# KiCad board pcb.kicad_pcb (continued)
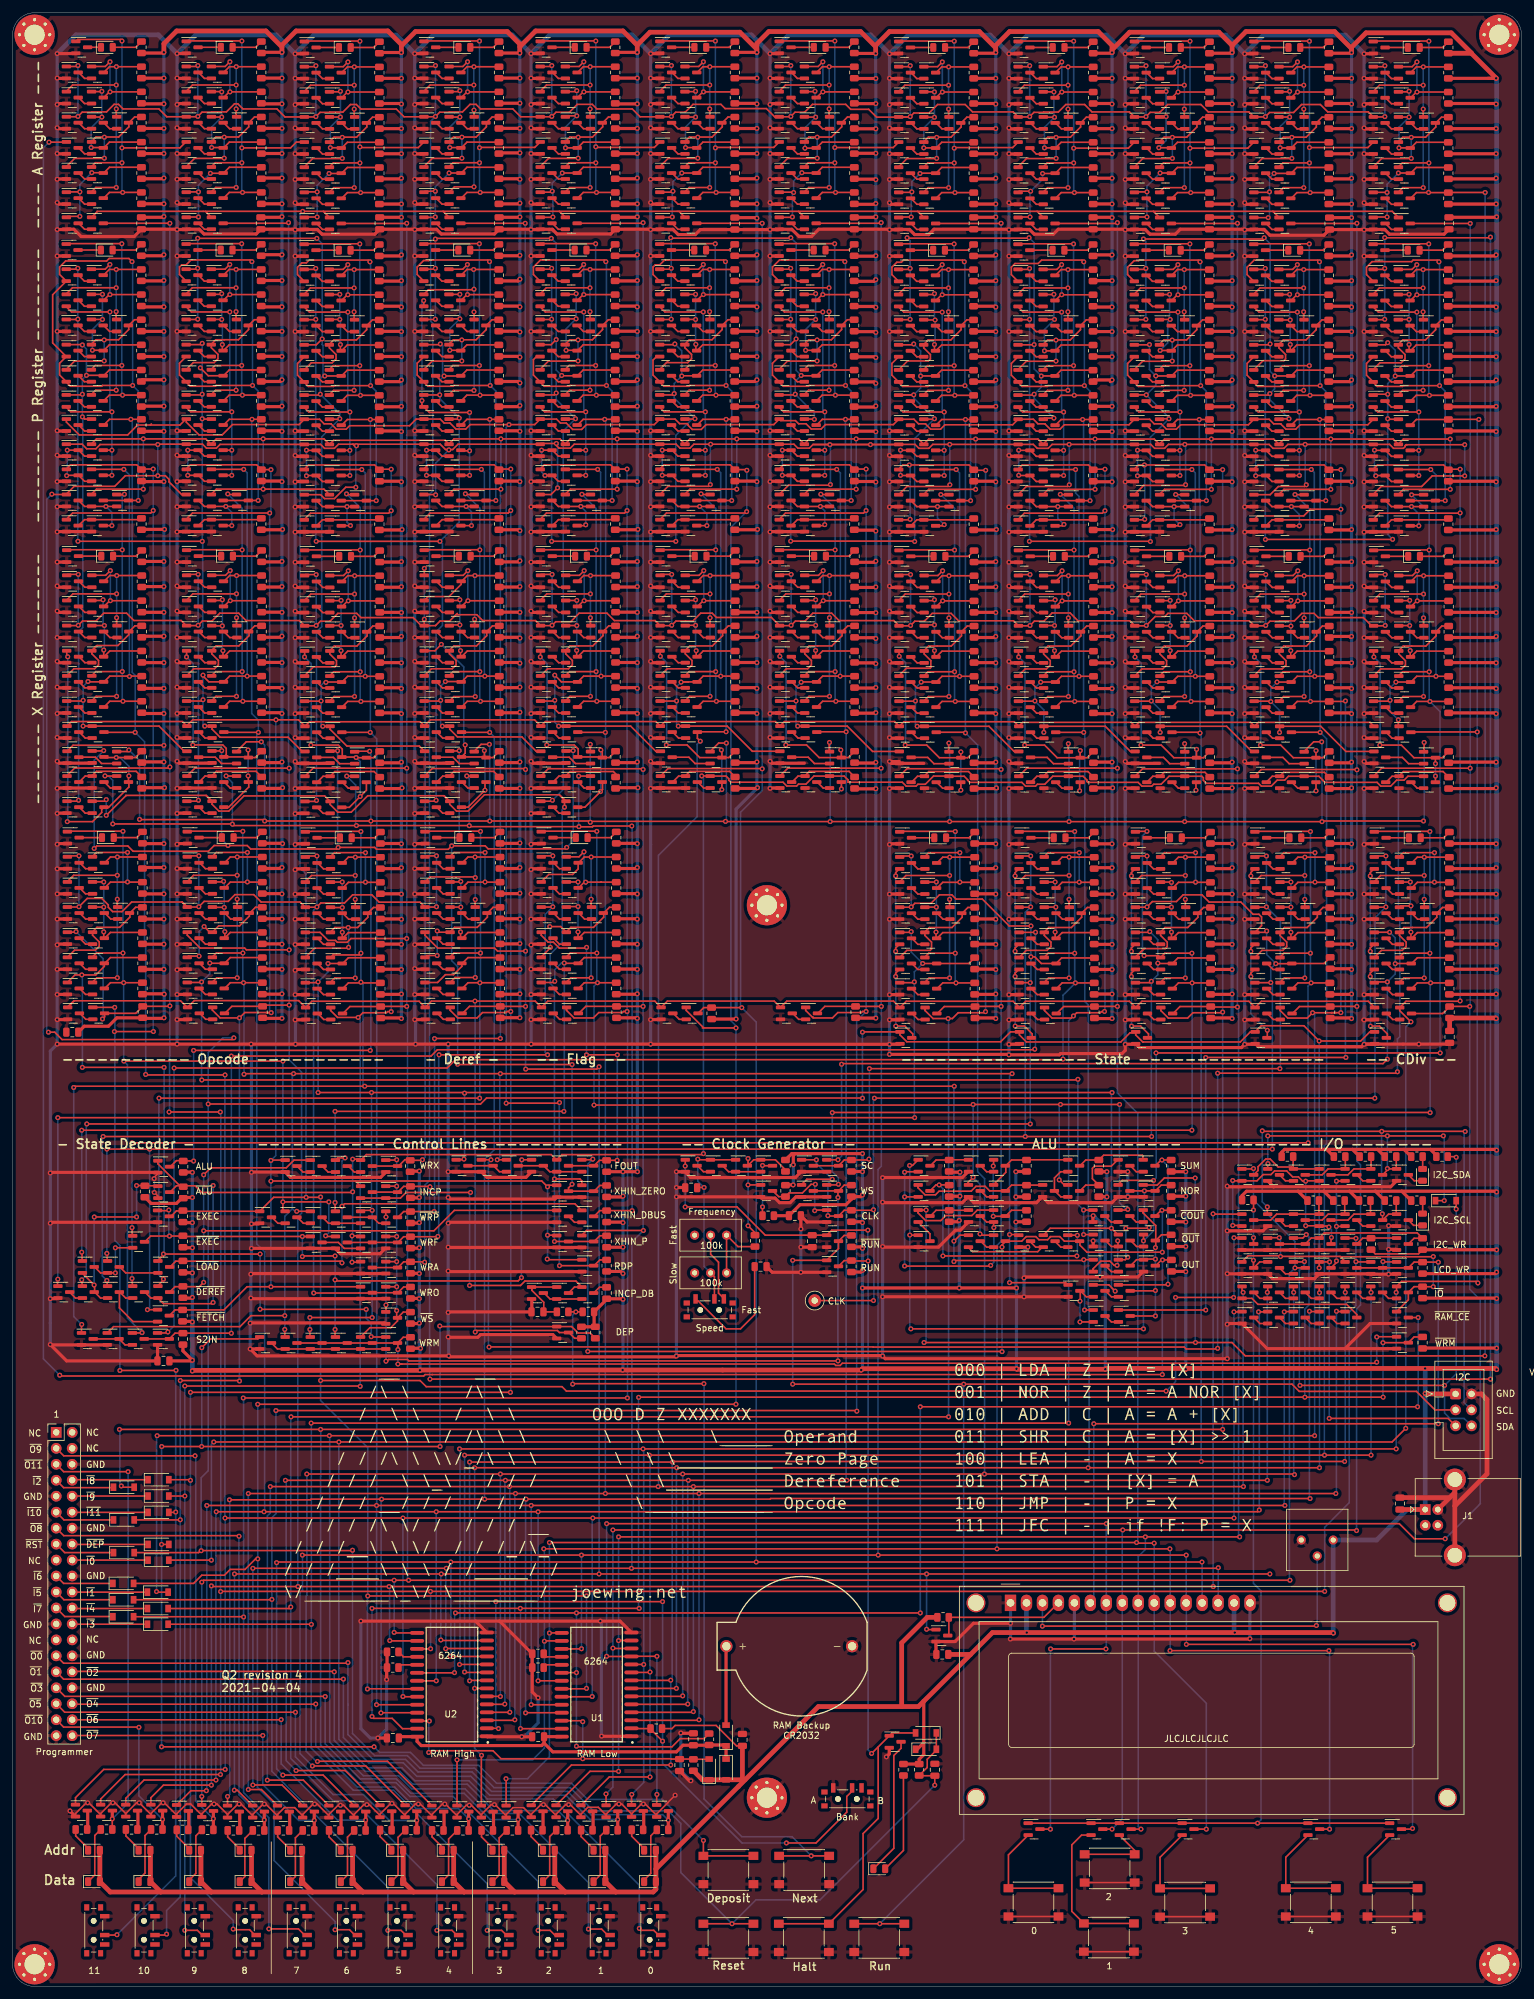
[diagram p0: board, top side]
## Placement (name value [footprint] x y rotation side) (continued)
Q994  2N7002K  [SOT-23]  103.95 227.56 0 top
Q995  2N7002  [SOT-23]  107.95 207.56 0 top
Q996  2N7002  [SOT-23]  107.95 223.56 0 top
Q997  2N7002  [SOT-23]  103.95 207.56 0 top
Q998  2N7002  [SOT-23]  103.95 223.56 0 top
Q999  2N7002  [SOT-23]  111.95 215.56 0 top
Q1000  2N7002  [SOT-23]  107.95 215.56 0 top
Q1001  2N7002  [SOT-23]  103.95 215.56 0 top
Q1002  2N7002  [SOT-23]  107.95 211.56 0 top
Q1003  2N7002  [SOT-23]  103.95 211.56 0 top
Q1004  2N7002  [SOT-23]  107.9 280.52 0 top
Q1005  2N7002  [SOT-23]  103.9 280.52 0 top
Q1006  2N7002  [SOT-23]  107.9 248.42 0 top
Q1007  2N7002  [SOT-23]  103.9 248.42 0 top
Q1008  2N7002  [SOT-23]  107.9 244.42 0 top
Q1009  2N7002  [SOT-23]  107.9 240.42 0 top
Q1010  2N7002  [SOT-23]  107.9 236.42 0 top
Q1011  2N7002  [SOT-23]  111.9 236.42 0 top
Q1012  2N7002K  [SOT-23]  103.9 244.42 0 top
Q1013  2N7002K  [SOT-23]  103.9 240.42 0 top
Q1014  2N7002K  [SOT-23]  103.9 236.42 0 top
Q1015  2N7002  [SOT-23]  107.9 232.42 0 top
Q1016  2N7002K  [SOT-23]  103.9 232.42 0 top
Q1017  2N7002  [SOT-23]  126.88 252.27 0 top
Q1018  2N7002  [SOT-23]  126.88 268.27 0 top
Q1019  2N7002  [SOT-23]  122.88 252.27 0 top
Q1020  2N7002  [SOT-23]  122.88 268.27 0 top
Q1021  2N7002K  [SOT-23]  122.88 276.27 0 top
Q1022  2N7002  [SOT-23]  126.88 256.27 0 top
Q1023  2N7002  [SOT-23]  126.88 272.27 0 top
Q1024  2N7002  [SOT-23]  122.88 256.27 0 top
Q1025  2N7002  [SOT-23]  122.88 272.27 0 top
Q1026  2N7002  [SOT-23]  130.88 264.27 0 top
Q1027  2N7002  [SOT-23]  126.88 264.27 0 top
Q1028  2N7002  [SOT-23]  122.88 264.27 0 top
Q1029  2N7002  [SOT-23]  126.88 260.27 0 top
Q1030  2N7002  [SOT-23]  122.88 260.27 0 top
Q1031  2N7002  [SOT-23]  126.9 280.52 0 top
Q1032  2N7002  [SOT-23]  122.9 280.52 0 top
Q1033  2N7002  [SOT-23]  126.9 284.52 0 top
Q1034  2N7002  [SOT-23]  126.9 300.52 0 top
Q1035  2N7002  [SOT-23]  122.9 284.52 0 top
Q1036  2N7002  [SOT-23]  122.9 300.52 0 top
Q1037  2N7002K  [SOT-23]  122.9 308.52 0 top
Q1038  2N7002  [SOT-23]  126.9 288.52 0 top
Q1039  2N7002  [SOT-23]  126.9 304.52 0 top
Q1040  2N7002  [SOT-23]  122.9 288.52 0 top
Q1041  2N7002  [SOT-23]  122.9 304.52 0 top
Q1042  2N7002  [SOT-23]  130.9 296.52 0 top
Q1043  2N7002  [SOT-23]  126.9 296.52 0 top
Q1044  2N7002  [SOT-23]  122.9 296.52 0 top
Q1045  2N7002  [SOT-23]  126.9 292.52 0 top
Q1046  2N7002  [SOT-23]  122.9 292.52 0 top
Q1047  2N7002  [SOT-23]  130.9 191.62 0 top
Q1048  2N7002  [SOT-23]  127 199.57 0 top
Q1049  2N7002  [SOT-23]  130.9 195.52 0 top
Q1050  2N7002  [SOT-23]  123 191.62 0 top
Q1051  2N7002  [SOT-23]  127 191.62 0 top
Q1052  2N7002  [SOT-23]  123 199.57 0 top
Q1053  2N7002  [SOT-23]  123 195.57 0 top
Q1054  2N7002  [SOT-23]  126.95 203.56 0 top
Q1055  2N7002  [SOT-23]  126.95 219.56 0 top
Q1056  2N7002  [SOT-23]  122.95 203.56 0 top
Q1057  2N7002  [SOT-23]  122.95 219.56 0 top
Q1058  2N7002K  [SOT-23]  122.95 227.56 0 top
Q1059  2N7002  [SOT-23]  126.95 207.56 0 top
Q1060  2N7002  [SOT-23]  126.95 223.56 0 top
Q1061  2N7002  [SOT-23]  122.95 207.56 0 top
Q1062  2N7002  [SOT-23]  122.95 223.56 0 top
Q1063  2N7002  [SOT-23]  130.95 215.56 0 top
Q1064  2N7002  [SOT-23]  126.95 215.56 0 top
Q1065  2N7002  [SOT-23]  122.95 215.56 0 top
Q1066  2N7002  [SOT-23]  126.95 211.56 0 top
Q1067  2N7002  [SOT-23]  122.95 211.56 0 top
Q1068  2N7002  [SOT-23]  107.88 252.27 0 top
Q1069  2N7002  [SOT-23]  107.88 268.27 0 top
Q1070  2N7002  [SOT-23]  103.88 252.27 0 top
Q1071  2N7002  [SOT-23]  103.88 268.27 0 top
Q1072  2N7002K  [SOT-23]  103.88 276.27 0 top
Q1073  2N7002  [SOT-23]  107.88 256.27 0 top
Q1074  2N7002  [SOT-23]  107.88 272.27 0 top
Q1075  2N7002  [SOT-23]  103.88 256.27 0 top
Q1076  2N7002  [SOT-23]  103.88 272.27 0 top
Q1077  2N7002  [SOT-23]  111.88 264.27 0 top
Q1078  2N7002  [SOT-23]  107.88 264.27 0 top
Q1079  2N7002  [SOT-23]  103.88 264.27 0 top
Q1080  2N7002  [SOT-23]  107.88 260.27 0 top
Q1081  2N7002  [SOT-23]  103.88 260.27 0 top
Q1082  2N7002  [SOT-23]  126.9 248.42 0 top
Q1083  2N7002  [SOT-23]  122.9 248.42 0 top
Q1084  2N7002  [SOT-23]  126.9 244.42 0 top
Q1085  2N7002  [SOT-23]  126.9 240.42 0 top
Q1086  2N7002  [SOT-23]  126.9 236.42 0 top
Q1087  2N7002  [SOT-23]  130.9 236.42 0 top
Q1088  2N7002K  [SOT-23]  122.9 244.42 0 top
Q1089  2N7002K  [SOT-23]  122.9 240.42 0 top
Q1090  2N7002K  [SOT-23]  122.9 236.42 0 top
Q1091  2N7002  [SOT-23]  126.9 232.42 0 top
Q1092  2N7002K  [SOT-23]  122.9 232.42 0 top
Q1093  2N7002  [SOT-23]  87.5 122.53 0 top
Q1094  2N7002  [SOT-23]  48.3 130.53 0 top
Q1095  2N7002K  [SOT-23]  200.6 129.13 0 top
Q1096  2N7002K  [SOT-23]  221.1 129.13 0 top
Q1097  2N7002K  [SOT-23]  208.8 114.33 0 top
Q1098  2N7002K  [SOT-23]  208.8 129.13 0 top
Q1099  2N7002K  [SOT-23]  217 129.13 0 top
Q1100  2N7002K  [SOT-23]  204.7 114.33 0 top
Q1101  2N7002K  [SOT-23]  212.9 129.13 0 top
Q1102  2N7002K  [SOT-23]  200.6 114.33 0 top
Q1103  2N7002K  [SOT-23]  204.7 121.93 0 top
Q1104  2N7002K  [SOT-23]  196.5 121.93 0 top
Q1105  2N7002K  [SOT-23]  200.6 121.93 0 top
Q1106  2N7002K  [SOT-23]  208.8 121.93 0 top
Q1107  2N7002K  [SOT-23]  217 121.93 0 top
Q1108  2N7002K  [SOT-23]  208.8 118.13 0 top
Q1109  2N7002K  [SOT-23]  212.9 121.93 0 top
Q1110  2N7002K  [SOT-23]  221.1 121.93 0 top
Q1111  2N7002  [SOT-23]  212.9 114.33 0 top
R1  10k  [R_0805_2012Metric]  20.5 248.43 90 top
R2  10k  [R_0805_2012Metric]  20.7 155.03 90 top
R3  100k  [R_0805_2012Metric]  20.5 240.43 90 top
R4  10k  [R_0805_2012Metric]  20.5 232.68 90 top
R5  10k  [R_0805_2012Metric]  20.48 252.27 90 top
R6  10k  [R_0805_2012Metric]  20.48 268.27 90 top
R7  4.7k  [R_0805_2012Metric]  20.48 276.27 90 top
R8  10k  [R_0805_2012Metric]  20.48 256.27 90 top
R9  10k  [R_0805_2012Metric]  20.48 272.27 90 top
R10  10k  [R_0805_2012Metric]  20.48 264.27 90 top
R11  10k  [R_0805_2012Metric]  20.48 260.27 90 top
R12  10k  [R_0805_2012Metric]  20.5 284.53 90 top
R13  10k  [R_0805_2012Metric]  20.5 300.53 90 top
R14  4.7k  [R_0805_2012Metric]  20.5 308.53 90 top
R15  10k  [R_0805_2012Metric]  20.5 288.53 90 top
R16  10k  [R_0805_2012Metric]  20.5 304.53 90 top
R17  10k  [R_0805_2012Metric]  20.5 296.53 90 top
R18  10k  [R_0805_2012Metric]  20.5 292.53 90 top
R19  10k  [R_0805_2012Metric]  20.55 195.63 90 top
R20  10k  [R_0805_2012Metric]  20.55 191.53 90 top
R21  10k  [R_0805_2012Metric]  20.55 203.57 90 top
R22  10k  [R_0805_2012Metric]  20.55 219.57 90 top
R23  4.7k  [R_0805_2012Metric]  20.55 227.57 90 top
R24  10k  [R_0805_2012Metric]  20.55 207.57 90 top
R25  10k  [R_0805_2012Metric]  20.55 223.57 90 top
R26  10k  [R_0805_2012Metric]  20.55 215.57 90 top
R27  10k  [R_0805_2012Metric]  20.55 211.57 90 top
R28  10k  [R_0805_2012Metric]  20.66 158.79 90 top
R29  10k  [R_0805_2012Metric]  20.66 174.79 90 top
R30  4.7k  [R_0805_2012Metric]  20.66 182.79 90 top
R31  10k  [R_0805_2012Metric]  20.66 162.79 90 top
R32  10k  [R_0805_2012Metric]  20.66 178.79 90 top
R33  10k  [R_0805_2012Metric]  20.66 170.79 90 top
R34  10k  [R_0805_2012Metric]  20.66 166.79 90 top
R35  1k  [R_0805_2012Metric]  27.05 106.73 90 top
R36  10k  [R_0805_2012Metric]  27.1 110.48 90 top
R37  10k  [R_0805_2012Metric]  27.1 118.53 90 top
R38  1k  [R_0805_2012Metric]  27.15 126.33 90 top
R39  10k  [R_0805_2012Metric]  21.05 126.48 90 top
R40  10k  [R_0805_2012Metric]  27.1 103.03 90 top
R41  10k  [R_0805_2012Metric]  94.5 126.53 90 top
R42  1k  [R_0805_2012Metric]  94.5 118.53 90 top
R43  10k  [R_0805_2012Metric]  94.5 122.53 90 top
R44  1k  [R_0805_2012Metric]  94.5 114.68 90 top
R45  1k  [R_0805_2012Metric]  63.3 110.38 90 top
R46  1k  [R_0805_2012Metric]  27.15 130.43 90 top
R47  10k  [R_0805_2012Metric]  63.3 118.38 90 top
R48  10k  [R_0805_2012Metric]  63.3 126.38 90 top
R49  1k  [R_0805_2012Metric]  63.3 114.38 90 top
R50  1k  [R_0805_2012Metric]  63.3 106.38 90 top
R51  10k  [R_0805_2012Metric]  87.5 107.33 0 top
R52  1k  [R_0805_2012Metric]  94.5 110.33 270 top
R53  1k  [R_0805_2012Metric]  63.25 130.53 90 top
R54  1k  [R_0805_2012Metric]  27.1 122.53 90 top
R55  1k  [R_0805_2012Metric]  63.3 122.38 90 top
R56  10k  [R_0805_2012Metric]  94.5 130.53 90 top
R57  10k  [R_0805_2012Metric]  63.3 102.38 90 top
R58  10k  [R_0805_2012Metric]  39.57 248.43 90 top
R59  10k  [R_0805_2012Metric]  39.77 155.03 90 top
R60  100k  [R_0805_2012Metric]  39.57 240.43 90 top
R61  10k  [R_0805_2012Metric]  39.57 232.68 90 top
R62  10k  [R_0805_2012Metric]  39.55 252.27 90 top
R63  10k  [R_0805_2012Metric]  39.55 268.27 90 top
R64  4.7k  [R_0805_2012Metric]  39.55 276.27 90 top
R65  10k  [R_0805_2012Metric]  39.55 256.27 90 top
R66  10k  [R_0805_2012Metric]  39.55 272.27 90 top
R67  10k  [R_0805_2012Metric]  39.55 264.27 90 top
R68  10k  [R_0805_2012Metric]  39.55 260.27 90 top
R69  10k  [R_0805_2012Metric]  39.57 284.53 90 top
R70  10k  [R_0805_2012Metric]  39.57 300.53 90 top
R71  4.7k  [R_0805_2012Metric]  39.57 308.53 90 top
R72  10k  [R_0805_2012Metric]  39.57 288.53 90 top
R73  10k  [R_0805_2012Metric]  39.57 304.53 90 top
R74  10k  [R_0805_2012Metric]  39.57 296.53 90 top
R75  10k  [R_0805_2012Metric]  39.57 292.53 90 top
R76  10k  [R_0805_2012Metric]  39.62 195.63 90 top
R77  10k  [R_0805_2012Metric]  39.62 191.53 90 top
R78  10k  [R_0805_2012Metric]  39.62 203.57 90 top
R79  10k  [R_0805_2012Metric]  39.62 219.57 90 top
R80  4.7k  [R_0805_2012Metric]  39.62 227.57 90 top
R81  10k  [R_0805_2012Metric]  39.62 207.57 90 top
R82  10k  [R_0805_2012Metric]  39.62 223.57 90 top
R83  10k  [R_0805_2012Metric]  39.62 215.57 90 top
R84  10k  [R_0805_2012Metric]  39.62 211.57 90 top
R85  10k  [R_0805_2012Metric]  39.73 158.79 90 top
R86  10k  [R_0805_2012Metric]  39.73 174.79 90 top
R87  4.7k  [R_0805_2012Metric]  39.73 182.79 90 top
R88  10k  [R_0805_2012Metric]  39.73 162.79 90 top
R89  10k  [R_0805_2012Metric]  39.73 178.79 90 top
R90  10k  [R_0805_2012Metric]  39.73 170.79 90 top
R91  10k  [R_0805_2012Metric]  39.73 166.79 90 top
R92  10k  [R_0805_2012Metric]  152.9 248.4 90 top
R93  10k  [R_0805_2012Metric]  153.1 155 90 top
R94  100k  [R_0805_2012Metric]  152.9 240.4 90 top
R95  10k  [R_0805_2012Metric]  152.9 232.65 90 top
R96  10k  [R_0805_2012Metric]  152.88 252.24 90 top
R97  10k  [R_0805_2012Metric]  152.88 268.24 90 top
R98  4.7k  [R_0805_2012Metric]  152.88 276.24 90 top
R99  10k  [R_0805_2012Metric]  152.88 256.24 90 top
R100  10k  [R_0805_2012Metric]  152.88 272.24 90 top
R101  10k  [R_0805_2012Metric]  152.88 264.24 90 top
R102  10k  [R_0805_2012Metric]  152.88 260.24 90 top
R103  10k  [R_0805_2012Metric]  152.9 284.5 90 top
R104  10k  [R_0805_2012Metric]  152.9 300.5 90 top
R105  4.7k  [R_0805_2012Metric]  152.9 308.5 90 top
R106  10k  [R_0805_2012Metric]  152.9 288.5 90 top
R107  10k  [R_0805_2012Metric]  152.9 304.5 90 top
R108  10k  [R_0805_2012Metric]  152.9 296.5 90 top
R109  10k  [R_0805_2012Metric]  152.9 292.5 90 top
R110  10k  [R_0805_2012Metric]  152.95 195.6 90 top
R111  10k  [R_0805_2012Metric]  152.95 191.5 90 top
R112  10k  [R_0805_2012Metric]  152.95 203.54 90 top
R113  10k  [R_0805_2012Metric]  152.95 219.54 90 top
R114  4.7k  [R_0805_2012Metric]  152.95 227.54 90 top
R115  10k  [R_0805_2012Metric]  152.95 207.54 90 top
R116  10k  [R_0805_2012Metric]  152.95 223.54 90 top
R117  10k  [R_0805_2012Metric]  152.95 215.54 90 top
R118  10k  [R_0805_2012Metric]  152.95 211.54 90 top
R119  10k  [R_0805_2012Metric]  153.06 158.76 90 top
R120  10k  [R_0805_2012Metric]  153.06 174.76 90 top
R121  4.7k  [R_0805_2012Metric]  153.06 182.76 90 top
R122  10k  [R_0805_2012Metric]  153.05 162.78 90 top
R123  10k  [R_0805_2012Metric]  153.06 178.76 90 top
R124  10k  [R_0805_2012Metric]  153.06 170.76 90 top
R125  10k  [R_0805_2012Metric]  153.06 166.76 90 top
R126  1k  [R_0805_2012Metric]  133.45 130.58 90 top
R127  1k  [R_0805_2012Metric]  118.1 118.63 90 top
R128  10k  [R_0805_2012Metric]  122.95 130.58 270 top
R129  10k  [R_0805_2012Metric]  122.95 126.58 270 top
R130  1k  [R_0805_2012Metric]  133.45 122.58 90 top
R131  1k  [R_0805_2012Metric]  133.45 126.58 90 top
R132  1k  [R_0805_2012Metric]  120.2 122.63 0 top
R133  10k  [R_0805_2012Metric]  133.45 118.58 90 top
R134  10k  [R_0805_2012Metric]  133.45 114.58 90 top
R135  4.7k  [R_0805_2012Metric]  141.72 34.48 270 top
R136  10k  [R_0805_2012Metric]  58.35 248.4 90 top
R137  10k  [R_0805_2012Metric]  58.55 155 90 top
R138  100k  [R_0805_2012Metric]  58.35 240.4 90 top
R139  10k  [R_0805_2012Metric]  58.35 232.65 90 top
R140  10k  [R_0805_2012Metric]  58.33 252.24 90 top
R141  10k  [R_0805_2012Metric]  58.33 268.24 90 top
R142  4.7k  [R_0805_2012Metric]  58.33 276.24 90 top
R143  10k  [R_0805_2012Metric]  58.33 256.24 90 top
R144  10k  [R_0805_2012Metric]  58.33 272.24 90 top
R145  10k  [R_0805_2012Metric]  58.33 264.24 90 top
R146  10k  [R_0805_2012Metric]  58.33 260.24 90 top
R147  10k  [R_0805_2012Metric]  58.35 284.5 90 top
R148  10k  [R_0805_2012Metric]  58.35 300.5 90 top
R149  4.7k  [R_0805_2012Metric]  58.35 308.5 90 top
R150  10k  [R_0805_2012Metric]  58.35 288.5 90 top
R151  10k  [R_0805_2012Metric]  58.35 304.5 90 top
R152  10k  [R_0805_2012Metric]  58.35 296.5 90 top
R153  10k  [R_0805_2012Metric]  58.35 292.5 90 top
R154  10k  [R_0805_2012Metric]  58.4 195.6 90 top
R155  10k  [R_0805_2012Metric]  58.4 191.5 90 top
R156  10k  [R_0805_2012Metric]  58.4 203.54 90 top
R157  10k  [R_0805_2012Metric]  58.4 219.54 90 top
R158  4.7k  [R_0805_2012Metric]  58.4 227.54 90 top
R159  10k  [R_0805_2012Metric]  58.4 207.54 90 top
R160  10k  [R_0805_2012Metric]  58.4 223.54 90 top
R161  10k  [R_0805_2012Metric]  58.4 215.54 90 top
R162  10k  [R_0805_2012Metric]  58.4 211.54 90 top
R163  10k  [R_0805_2012Metric]  58.51 158.76 90 top
R164  10k  [R_0805_2012Metric]  58.51 174.76 90 top
R165  4.7k  [R_0805_2012Metric]  58.51 182.76 90 top
R166  10k  [R_0805_2012Metric]  58.51 162.76 90 top
R167  10k  [R_0805_2012Metric]  58.51 178.76 90 top
R168  10k  [R_0805_2012Metric]  58.51 170.76 90 top
R169  10k  [R_0805_2012Metric]  58.51 166.76 90 top
R170  10k  [R_0805_2012Metric]  171.9 248.4 90 top
R171  10k  [R_0805_2012Metric]  172.1 155 90 top
R172  100k  [R_0805_2012Metric]  171.9 240.4 90 top
R173  10k  [R_0805_2012Metric]  171.9 232.65 90 top
R174  10k  [R_0805_2012Metric]  171.88 252.24 90 top
R175  10k  [R_0805_2012Metric]  171.88 268.24 90 top
R176  4.7k  [R_0805_2012Metric]  171.88 276.24 90 top
R177  10k  [R_0805_2012Metric]  171.88 256.24 90 top
R178  10k  [R_0805_2012Metric]  171.88 272.24 90 top
R179  10k  [R_0805_2012Metric]  171.88 264.24 90 top
R180  10k  [R_0805_2012Metric]  171.88 260.24 90 top
R181  10k  [R_0805_2012Metric]  171.9 284.5 90 top
R182  10k  [R_0805_2012Metric]  171.9 300.5 90 top
R183  4.7k  [R_0805_2012Metric]  171.9 308.5 90 top
R184  10k  [R_0805_2012Metric]  171.9 288.5 90 top
R185  10k  [R_0805_2012Metric]  171.9 304.5 90 top
R186  10k  [R_0805_2012Metric]  171.9 296.5 90 top
R187  10k  [R_0805_2012Metric]  171.9 292.5 90 top
R188  10k  [R_0805_2012Metric]  171.95 195.6 90 top
R189  10k  [R_0805_2012Metric]  171.95 191.5 90 top
R190  10k  [R_0805_2012Metric]  171.95 203.54 90 top
R191  10k  [R_0805_2012Metric]  171.95 219.54 90 top
R192  4.7k  [R_0805_2012Metric]  171.95 227.54 90 top
R193  10k  [R_0805_2012Metric]  171.95 207.54 90 top
R194  10k  [R_0805_2012Metric]  171.95 223.54 90 top
R195  10k  [R_0805_2012Metric]  171.95 215.54 90 top
R196  10k  [R_0805_2012Metric]  171.95 211.54 90 top
R197  10k  [R_0805_2012Metric]  172.06 158.76 90 top
R198  10k  [R_0805_2012Metric]  172.06 174.76 90 top
R199  4.7k  [R_0805_2012Metric]  172.06 182.76 90 top
R200  10k  [R_0805_2012Metric]  172.1 162.73 90 top
R201  10k  [R_0805_2012Metric]  172.06 178.76 90 top
R202  10k  [R_0805_2012Metric]  172.06 170.76 90 top
R203  10k  [R_0805_2012Metric]  172.06 166.76 90 top
R204  10k  [R_0805_2012Metric]  161.3 122.58 90 top
R205  10k  [R_0805_2012Metric]  149 122.58 90 top
R206  10k  [R_0805_2012Metric]  161.3 130.58 90 top
R207  10k  [R_0805_2012Metric]  149 130.58 90 top
R208  10k  [R_0805_2012Metric]  172.8 130.58 90 top
R209  10k  [R_0805_2012Metric]  149 126.58 90 top
R210  10k  [R_0805_2012Metric]  161.3 126.58 90 top
R211  10k  [R_0805_2012Metric]  184.3 130.58 90 top
R212  10k  [R_0805_2012Metric]  184.3 122.58 90 top
R213  10k  [R_0805_2012Metric]  184.35 114.68 90 top
R214  10k  [R_0805_2012Metric]  172.8 126.58 90 top
R215  10k  [R_0805_2012Metric]  184.3 118.68 90 top
R216  10k  [R_0805_2012Metric]  184.3 126.58 90 top
R217  10k  [R_0805_2012Metric]  77.38 248.42 90 top
R218  10k  [R_0805_2012Metric]  77.58 155.02 90 top
R219  100k  [R_0805_2012Metric]  77.38 240.42 90 top
R220  10k  [R_0805_2012Metric]  77.38 232.67 90 top
R221  10k  [R_0805_2012Metric]  77.35 252.27 90 top
R222  10k  [R_0805_2012Metric]  77.35 268.27 90 top
R223  4.7k  [R_0805_2012Metric]  77.35 276.27 90 top
R224  10k  [R_0805_2012Metric]  77.35 256.27 90 top
R225  10k  [R_0805_2012Metric]  77.35 272.27 90 top
R226  10k  [R_0805_2012Metric]  77.35 264.27 90 top
R227  10k  [R_0805_2012Metric]  77.35 260.27 90 top
R228  10k  [R_0805_2012Metric]  77.38 284.52 90 top
R229  10k  [R_0805_2012Metric]  77.38 300.52 90 top
R230  4.7k  [R_0805_2012Metric]  77.38 308.52 90 top
R231  10k  [R_0805_2012Metric]  77.38 288.52 90 top
R232  10k  [R_0805_2012Metric]  77.38 304.52 90 top
R233  10k  [R_0805_2012Metric]  77.38 296.52 90 top
R234  10k  [R_0805_2012Metric]  77.38 292.52 90 top
R235  10k  [R_0805_2012Metric]  77.43 195.62 90 top
R236  10k  [R_0805_2012Metric]  77.43 191.52 90 top
R237  10k  [R_0805_2012Metric]  77.43 203.56 90 top
R238  10k  [R_0805_2012Metric]  77.43 219.56 90 top
R239  4.7k  [R_0805_2012Metric]  77.43 227.56 90 top
R240  10k  [R_0805_2012Metric]  77.43 207.56 90 top
R241  10k  [R_0805_2012Metric]  77.43 223.56 90 top
R242  10k  [R_0805_2012Metric]  77.43 215.56 90 top
R243  10k  [R_0805_2012Metric]  77.43 211.56 90 top
R244  10k  [R_0805_2012Metric]  77.54 158.78 90 top
R245  10k  [R_0805_2012Metric]  77.54 174.78 90 top
R246  4.7k  [R_0805_2012Metric]  77.54 182.78 90 top
R247  10k  [R_0805_2012Metric]  77.54 162.78 90 top
R248  10k  [R_0805_2012Metric]  77.54 178.78 90 top
R249  10k  [R_0805_2012Metric]  77.54 170.78 90 top
R250  10k  [R_0805_2012Metric]  77.54 166.78 90 top
R251  10k  [R_0805_2012Metric]  190.4 248.4 90 top
R252  10k  [R_0805_2012Metric]  190.6 155 90 top
R253  100k  [R_0805_2012Metric]  190.4 240.4 90 top
R254  10k  [R_0805_2012Metric]  190.4 232.65 90 top
R255  10k  [R_0805_2012Metric]  190.38 252.24 90 top
R256  10k  [R_0805_2012Metric]  190.38 268.24 90 top
R257  4.7k  [R_0805_2012Metric]  190.38 276.24 90 top
R258  10k  [R_0805_2012Metric]  190.38 256.24 90 top
R259  10k  [R_0805_2012Metric]  190.38 272.24 90 top
R260  10k  [R_0805_2012Metric]  190.38 264.24 90 top
R261  10k  [R_0805_2012Metric]  190.38 260.24 90 top
R262  10k  [R_0805_2012Metric]  190.4 284.5 90 top
R263  10k  [R_0805_2012Metric]  190.4 300.5 90 top
R264  4.7k  [R_0805_2012Metric]  190.4 308.5 90 top
R265  10k  [R_0805_2012Metric]  190.4 288.5 90 top
R266  10k  [R_0805_2012Metric]  190.4 304.5 90 top
R267  10k  [R_0805_2012Metric]  190.4 296.5 90 top
R268  10k  [R_0805_2012Metric]  190.4 292.5 90 top
R269  10k  [R_0805_2012Metric]  190.45 195.6 90 top
R270  10k  [R_0805_2012Metric]  190.45 191.5 90 top
R271  10k  [R_0805_2012Metric]  190.45 203.54 90 top
R272  10k  [R_0805_2012Metric]  190.45 219.54 90 top
R273  4.7k  [R_0805_2012Metric]  190.45 227.54 90 top
R274  10k  [R_0805_2012Metric]  190.45 207.54 90 top
R275  10k  [R_0805_2012Metric]  190.45 223.54 90 top
R276  10k  [R_0805_2012Metric]  190.45 215.54 90 top
R277  10k  [R_0805_2012Metric]  190.45 211.54 90 top
R278  10k  [R_0805_2012Metric]  190.56 158.76 90 top
R279  10k  [R_0805_2012Metric]  190.56 174.76 90 top
R280  4.7k  [R_0805_2012Metric]  190.56 182.76 90 top
R281  10k  [R_0805_2012Metric]  190.6 162.73 90 top
R282  10k  [R_0805_2012Metric]  190.56 178.76 90 top
R283  10k  [R_0805_2012Metric]  190.56 170.76 90 top
R284  10k  [R_0805_2012Metric]  190.56 166.76 90 top
R285  10k  [R_0805_2012Metric]  224.3 110.43 90 top
R286  10k  [R_0805_2012Metric]  227.4 132.03 0 top
R287  10k  [R_0805_2012Metric]  224.3 114.33 90 top
R288  1k  [R_0805_2012Metric]  196.5 125.13 0 top
R290  10k  [R_0805_2012Metric]  224.3 102.43 90 top
R291  10k  [R_0805_2012Metric]  110.8 39.33 90 top
R292  100k  [R_0805_2012Metric]  83.58 52.93 180 top
R293  100k  [R_0805_2012Metric]  60.48 53.23 180 top
R294  100k  [R_0805_2012Metric]  83.58 50.73 180 top
R295  100k  [R_0805_2012Metric]  60.48 50.73 180 top
R296  100k  [R_0805_2012Metric]  108.3 35.23 90 top
R297  100k  [R_0805_2012Metric]  102.4 41.03 180 top
R298  10k  [R_0805_2012Metric]  95.88 248.42 90 top
R299  10k  [R_0805_2012Metric]  96.08 155.02 90 top
R300  100k  [R_0805_2012Metric]  95.88 240.42 90 top
R301  10k  [R_0805_2012Metric]  95.88 232.67 90 top
R302  10k  [R_0805_2012Metric]  95.85 252.27 90 top
R303  10k  [R_0805_2012Metric]  95.85 268.27 90 top
R304  4.7k  [R_0805_2012Metric]  95.85 276.27 90 top
R305  10k  [R_0805_2012Metric]  95.85 256.27 90 top
R306  10k  [R_0805_2012Metric]  95.85 272.27 90 top
R307  10k  [R_0805_2012Metric]  95.85 264.27 90 top
R308  10k  [R_0805_2012Metric]  95.85 260.27 90 top
R309  10k  [R_0805_2012Metric]  95.88 284.52 90 top
R310  10k  [R_0805_2012Metric]  95.88 300.52 90 top
R311  4.7k  [R_0805_2012Metric]  95.88 308.52 90 top
R312  10k  [R_0805_2012Metric]  95.88 288.52 90 top
R313  10k  [R_0805_2012Metric]  95.88 304.52 90 top
R314  10k  [R_0805_2012Metric]  95.88 296.52 90 top
R315  10k  [R_0805_2012Metric]  95.88 292.52 90 top
R316  10k  [R_0805_2012Metric]  95.93 195.62 90 top
R317  10k  [R_0805_2012Metric]  95.93 191.52 90 top
R318  10k  [R_0805_2012Metric]  95.93 203.56 90 top
R319  10k  [R_0805_2012Metric]  95.93 219.56 90 top
R320  4.7k  [R_0805_2012Metric]  95.93 227.56 90 top
R321  10k  [R_0805_2012Metric]  95.93 207.56 90 top
R322  10k  [R_0805_2012Metric]  95.93 223.56 90 top
R323  10k  [R_0805_2012Metric]  95.93 215.56 90 top
R324  10k  [R_0805_2012Metric]  95.93 211.56 90 top
R325  10k  [R_0805_2012Metric]  96.04 158.78 90 top
R326  10k  [R_0805_2012Metric]  96.04 174.78 90 top
R327  4.7k  [R_0805_2012Metric]  96.04 182.78 90 top
R328  10k  [R_0805_2012Metric]  96.04 162.78 90 top
R329  10k  [R_0805_2012Metric]  96.04 178.78 90 top
R330  10k  [R_0805_2012Metric]  96.04 170.78 90 top
R331  10k  [R_0805_2012Metric]  96.04 166.78 90 top
R332  10k  [R_0805_2012Metric]  209.4 248.4 90 top
R333  10k  [R_0805_2012Metric]  209.6 155 90 top
R334  100k  [R_0805_2012Metric]  209.4 240.4 90 top
R335  10k  [R_0805_2012Metric]  209.4 232.65 90 top
R336  10k  [R_0805_2012Metric]  209.38 252.24 90 top
R337  10k  [R_0805_2012Metric]  209.38 268.24 90 top
R338  4.7k  [R_0805_2012Metric]  209.38 276.24 90 top
R339  10k  [R_0805_2012Metric]  209.38 256.24 90 top
R340  10k  [R_0805_2012Metric]  209.38 272.24 90 top
R341  10k  [R_0805_2012Metric]  209.38 264.24 90 top
R342  10k  [R_0805_2012Metric]  209.38 260.24 90 top
R343  10k  [R_0805_2012Metric]  209.4 284.5 90 top
R344  10k  [R_0805_2012Metric]  209.4 300.5 90 top
R345  4.7k  [R_0805_2012Metric]  209.4 308.5 90 top
R346  10k  [R_0805_2012Metric]  209.4 288.5 90 top
R347  10k  [R_0805_2012Metric]  209.4 304.5 90 top
R348  10k  [R_0805_2012Metric]  209.4 296.5 90 top
R349  10k  [R_0805_2012Metric]  209.4 292.5 90 top
R350  10k  [R_0805_2012Metric]  209.45 195.6 90 top
R351  10k  [R_0805_2012Metric]  209.45 191.5 90 top
R352  10k  [R_0805_2012Metric]  209.45 203.54 90 top
R353  10k  [R_0805_2012Metric]  209.45 219.54 90 top
R354  4.7k  [R_0805_2012Metric]  209.45 227.54 90 top
R355  10k  [R_0805_2012Metric]  209.45 207.54 90 top
R356  10k  [R_0805_2012Metric]  209.45 223.54 90 top
R357  10k  [R_0805_2012Metric]  209.45 215.54 90 top
R358  10k  [R_0805_2012Metric]  209.45 211.54 90 top
R359  10k  [R_0805_2012Metric]  209.56 158.76 90 top
R360  10k  [R_0805_2012Metric]  209.56 174.76 90 top
R361  4.7k  [R_0805_2012Metric]  209.56 182.76 90 top
R362  10k  [R_0805_2012Metric]  209.6 162.83 90 top
R363  10k  [R_0805_2012Metric]  209.56 178.76 90 top
R364  10k  [R_0805_2012Metric]  209.56 170.76 90 top
R365  10k  [R_0805_2012Metric]  209.56 166.76 90 top
R366  10k  [R_0805_2012Metric]  27.1 114.53 90 top
R367  100k  [R_0805_2012Metric]  144.22 34.48 270 top
R368  10k  [R_0805_2012Metric]  92.7 104.04 270 top
R369  10k  [R_0805_2012Metric]  91.6 107.33 180 top
R370  10k  [R_0805_2012Metric]  90.5 104.04 270 top
R371  10k  [R_0805_2012Metric]  148.02 58.73 0 top
R372  4.7k  [R_0805_2012Metric]  59.38 24.87 0 top
R373  4.7k  [R_0805_2012Metric]  63.38 24.87 0 top
R374  4.7k  [R_0805_2012Metric]  10.95 24.98 0 top
R375  4.7k  [R_0805_2012Metric]  14.95 24.98 0 top
R376  4.7k  [R_0805_2012Metric]  67.64 24.82 0 top
R377  4.7k  [R_0805_2012Metric]  71.64 24.82 0 top
R378  4.7k  [R_0805_2012Metric]  18.94 24.97 0 top
R379  4.7k  [R_0805_2012Metric]  22.94 24.97 0 top
R380  4.7k  [R_0805_2012Metric]  75.51 24.82 0 top
R381  4.7k  [R_0805_2012Metric]  79.51 24.82 0 top